# Altium PCB host_board.PcbDoc (part 6 of 7) (continued)
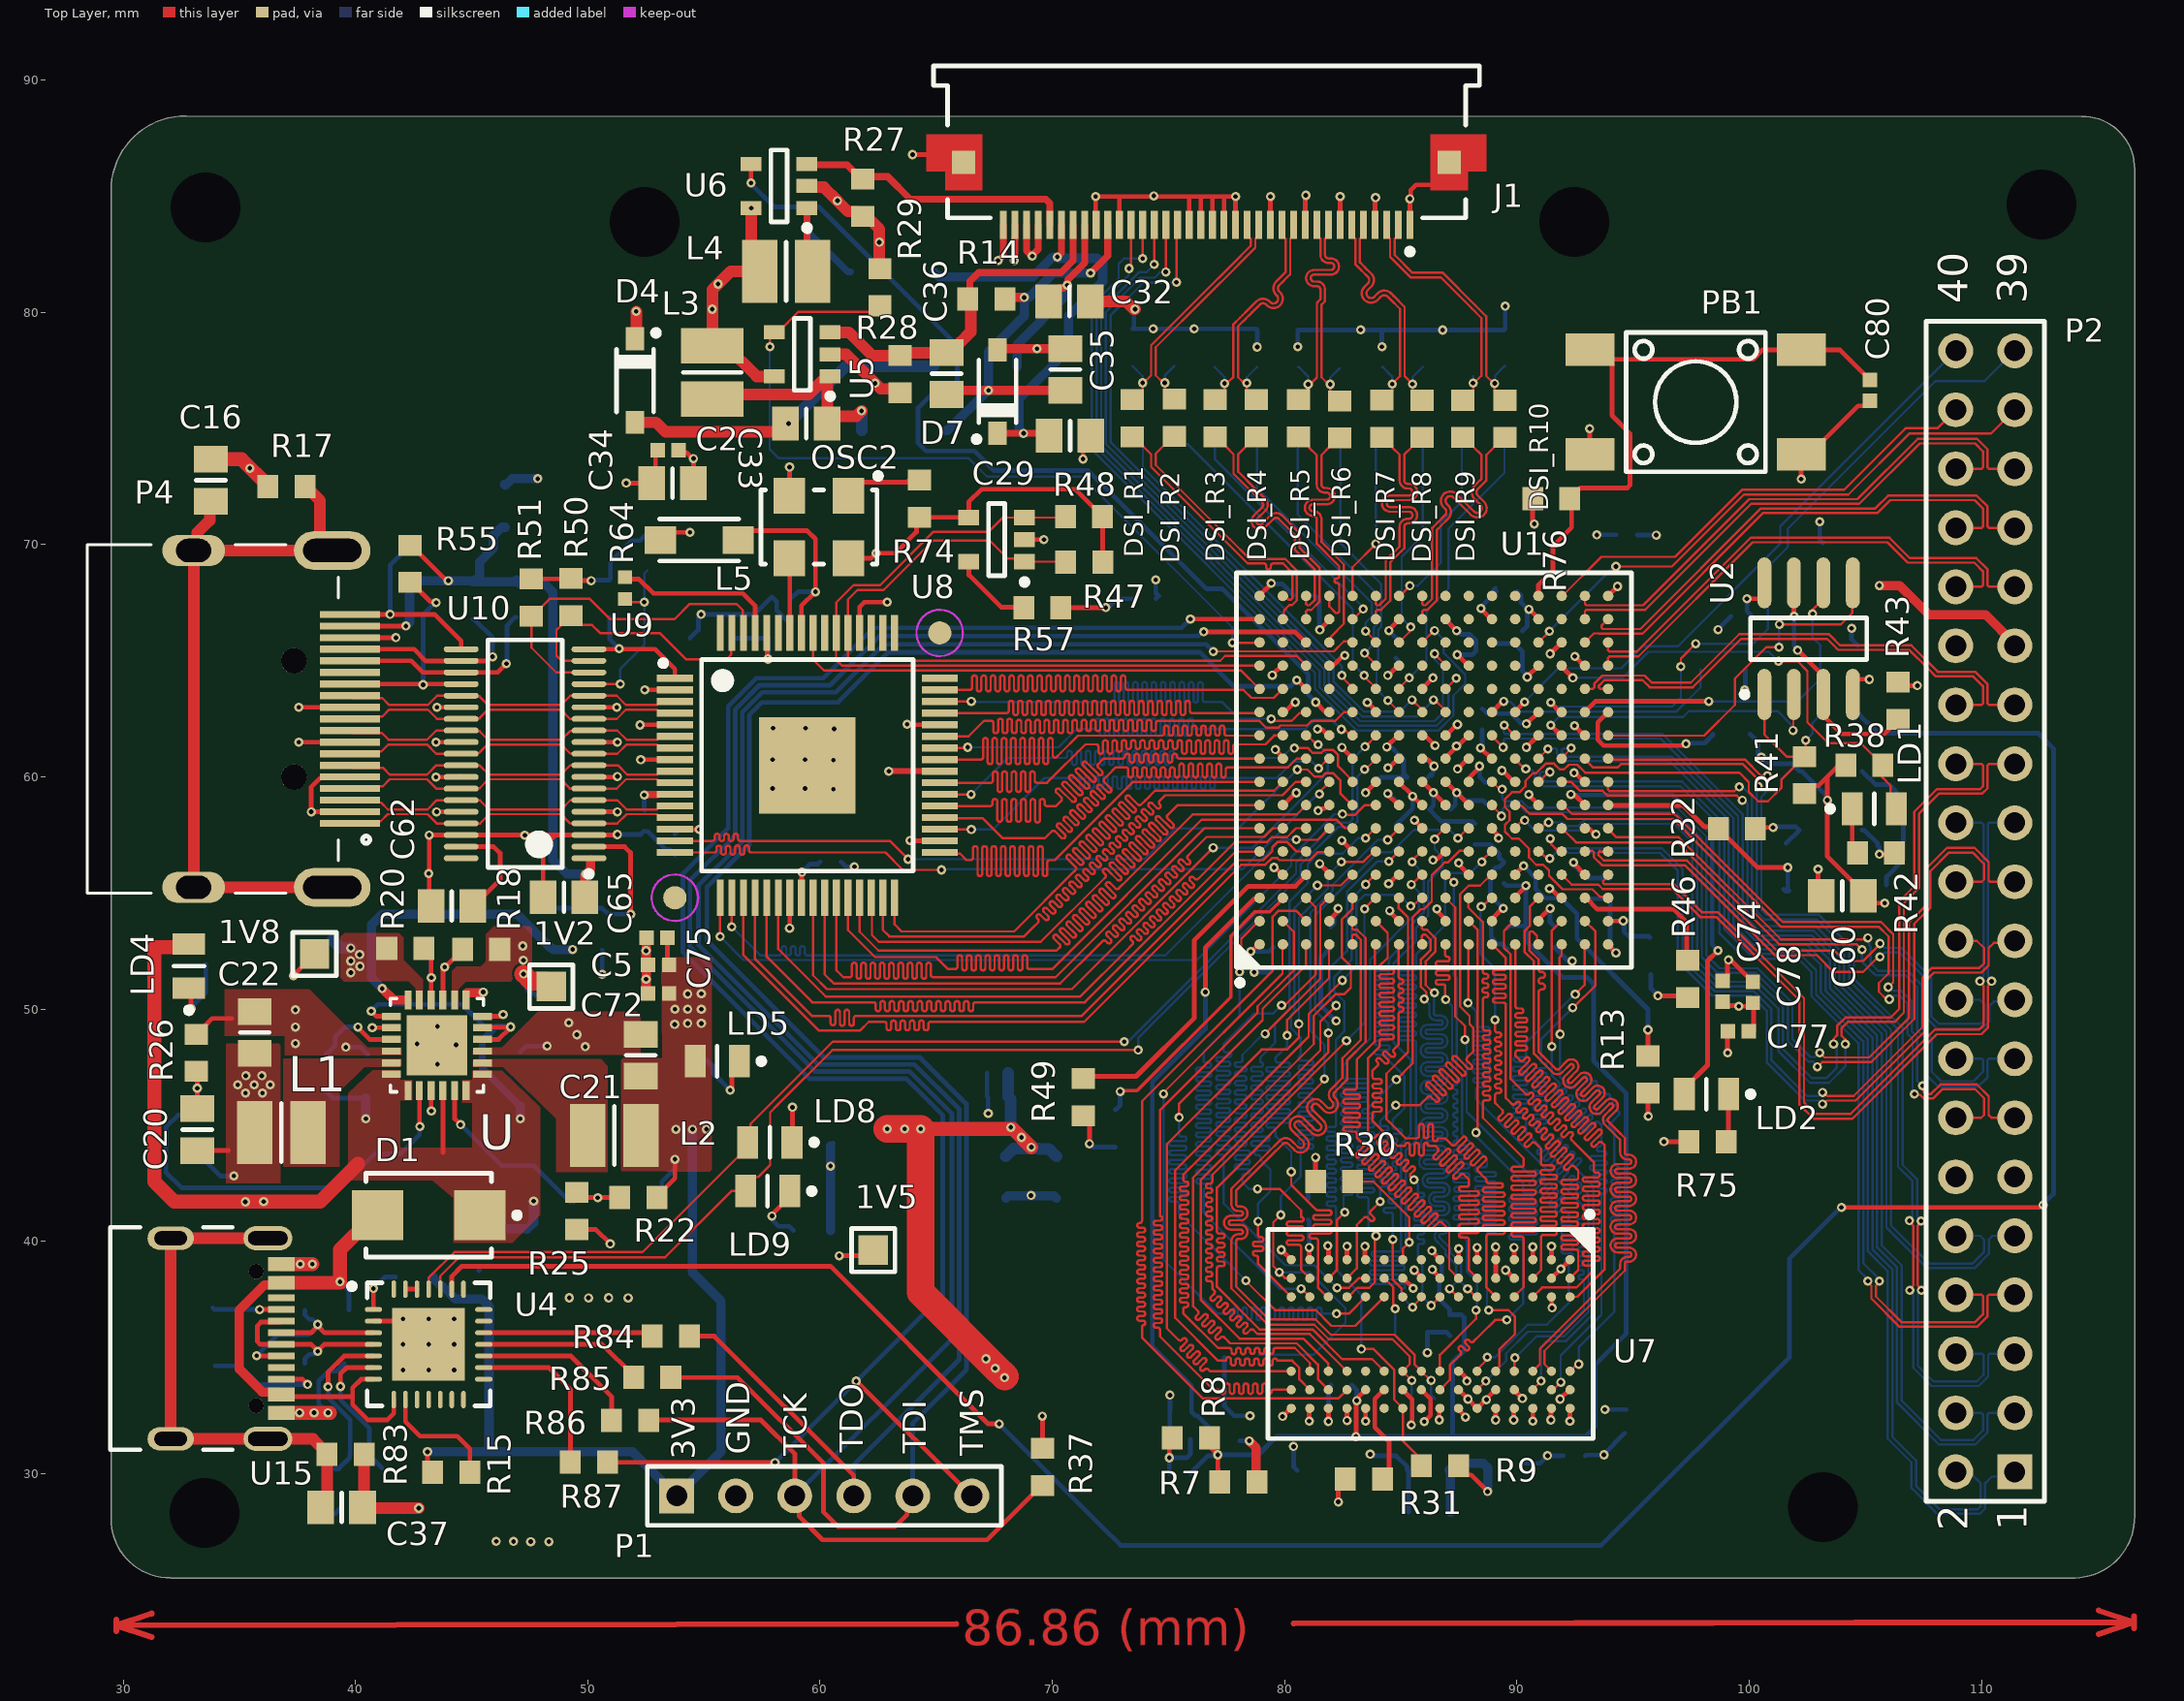
[diagram p0: Top Layer view]
## Nets (pads, with @x,y where several pads share a name; then routed paths per layer and width w, separated by ;. In a path a pad name is that pad's centre, name@x,y a point inside that pad or via, vN(x,y) a via of type N, cw(c..) or ccw(c..) an arc to the next point about the centre after c; other vN are vias at no path point) (continued)
HDMI_D6: U1.C9 U9.36 | length 35.2
  Top Layer w0.1: U9.36@65.15,58.25 65.17,58.23 66.99,58.23 67.86,57.36 69.654,57.36 69.67,57.36 69.795,57.485 69.971,57.662 cw(c70.042,57.591) 70.113,57.662 70.39,57.384 ccw(c70.461,57.455) 70.532,57.384 ccw(c70.461,57.455) 70.532,57.526 70.224,57.833 cw(c70.295,57.904) 70.224,57.975 cw(c70.295,57.904) 70.365,57.975 70.673,57.667 ccw(c70.744,57.738) 70.814,57.667 ccw(c70.744,57.738) 70.814,57.809 70.507,58.116 cw(c70.577,58.187) 70.507,58.258 cw(c70.577,58.187) 70.648,58.258 70.956,57.95 ccw(c71.027,58.021) 71.097,57.95 ccw(c71.027,58.021) 71.097,58.091 70.79,58.399 cw(c70.86,58.47) 70.79,58.541 cw(c70.86,58.47) 70.931,58.541 71.239,58.233 ccw(c71.309,58.304) 71.38,58.233 ccw(c71.309,58.304) 71.38,58.374 71.103,58.651 cw(c71.174,58.722) 71.103,58.793 cw(c71.174,58.722) 71.244,58.793 71.522,58.516 ccw(c71.592,58.586) 71.663,58.516 ccw(c71.592,58.586) 71.663,58.657 71.386,58.934 cw(c71.456,59.005) 71.386,59.076 cw(c71.456,59.005) 71.527,59.076 71.804,58.798 ccw(c71.875,58.869) 71.946,58.798 ccw(c71.875,58.869) 71.946,58.94 71.669,59.217 cw(c71.739,59.288) 71.669,59.359 cw(c71.739,59.288) 71.81,59.359 72.087,59.081 ccw(c72.158,59.152) 72.229,59.081 ccw(c72.158,59.152) 72.229,59.223 71.951,59.5 cw(c72.022,59.571) 71.951,59.641 cw(c72.022,59.571) 72.093,59.641 72.37,59.364 ccw(c72.441,59.435) 72.511,59.364 ccw(c72.441,59.435) 72.511,59.506 72.234,59.783 cw(c72.305,59.854) 72.234,59.924 72.434,60.124 72.728,60.418 72.91,60.418 73.16,60.418 cw(c73.16,60.318) 73.26,60.318 73.26,60.08 ccw(c73.36,60.08) 73.46,60.08 73.46,60.318 cw(c73.56,60.318) 73.66,60.318 73.66,60.08 ccw(c73.76,60.08) 73.86,60.08 73.86,60.318 cw(c73.96,60.318) 74.06,60.318 74.06,60.08 ccw(c74.16,60.08) 74.26,60.08 74.26,60.318 cw(c74.36,60.318) 74.46,60.318 74.46,60.08 ccw(c74.56,60.08) 74.66,60.08 74.66,60.318 cw(c74.76,60.318) 74.86,60.318 74.86,60.08 ccw(c74.96,60.08) 75.06,60.08 75.06,60.318 cw(c75.16,60.318) 75.26,60.318 75.26,60.08 ccw(c75.36,60.08) 75.46,60.08 75.46,60.475 cw(c75.56,60.475) 75.66,60.475 75.66,60.08 ccw(c75.76,60.08) 75.86,60.08 75.86,60.475 cw(c75.96,60.475) 76.06,60.475 76.06,60.08 ccw(c76.16,60.08) 76.26,60.08 76.26,60.475 cw(c76.36,60.475) 76.46,60.475 76.46,60.08 ccw(c76.56,60.08) 76.66,60.08 76.66,60.475 cw(c76.76,60.475) 76.86,60.475 76.86,60.08 ccw(c76.96,60.08) 77.06,60.08 77.06,60.475 cw(c77.16,60.475) 77.26,60.475 77.26,60.08 ccw(c77.36,60.08) 77.46,60.08 77.46,60.318 cw(c77.56,60.318) 77.56,60.418 78.055,60.418 80.143,60.418 80.518,60.793 U1.C9@80.92,60.793
HDMI_D7: U1.D9 U9.35 | length 31.9
  Top Layer w0.1: U9.35@65.15,57.75 66.496,57.75 v1(66.51,57.736) ; v1(81.46,60.37) 81.883,60.793 U1.D9@81.92,60.793
  Bottom Layer w0.1: v1(66.51,57.736) 67.436,57.736 69.66,59.96 70.84,59.96 71.09,59.96 cw(c71.09,59.86) 71.19,59.86 71.19,59.584 ccw(c71.29,59.584) 71.39,59.584 71.39,59.93 cw(c71.49,59.93) 71.59,59.93 71.59,59.584 ccw(c71.69,59.584) 71.79,59.584 71.79,59.93 cw(c71.89,59.93) 71.99,59.93 71.99,59.584 ccw(c72.09,59.584) 72.19,59.584 72.19,59.93 cw(c72.29,59.93) 72.39,59.93 72.39,59.584 ccw(c72.49,59.584) 72.59,59.584 72.59,59.93 cw(c72.69,59.93) 72.79,59.93 72.79,59.584 ccw(c72.89,59.584) 72.99,59.584 72.99,59.93 cw(c73.09,59.93) 73.19,59.93 73.19,59.584 ccw(c73.29,59.584) 73.39,59.584 73.39,59.93 cw(c73.49,59.93) 73.59,59.93 73.59,59.584 ccw(c73.69,59.584) 73.79,59.584 73.79,59.93 cw(c73.89,59.93) 73.99,59.93 73.99,59.584 ccw(c74.09,59.584) 74.19,59.584 74.19,59.93 cw(c74.29,59.93) 74.39,59.93 74.39,59.584 ccw(c74.49,59.584) 74.59,59.584 74.59,59.93 cw(c74.69,59.93) 74.79,59.93 74.79,59.584 ccw(c74.89,59.584) 74.99,59.584 74.99,59.93 cw(c75.09,59.93) 75.19,59.93 75.19,59.584 ccw(c75.29,59.584) 75.39,59.584 75.39,59.93 cw(c75.49,59.93) 75.59,59.93 75.59,59.584 ccw(c75.69,59.584) 75.79,59.584 75.79,59.93 cw(c75.89,59.93) 75.99,59.93 75.99,59.584 ccw(c76.09,59.584) 76.19,59.584 76.19,59.93 cw(c76.29,59.93) 76.39,59.93 76.39,59.584 ccw(c76.49,59.584) 76.59,59.584 76.59,59.93 cw(c76.69,59.93) 76.79,59.93 76.79,59.584 ccw(c76.89,59.584) 76.99,59.584 76.99,59.86 cw(c77.09,59.86) 77.09,59.96 77.256,59.96 79.66,59.96 80.37,60.67 81.16,60.67 v1(81.46,60.37)
HDMI_D8: U1.A8 U9.33 | length 34.5
  Top Layer w0.1: U9.33@65.15,56.75 65.196,56.704 66.016,56.704 66.3,56.42 66.43,56.42 66.48,56.42 ccw(c66.48,56.52) 66.58,56.52 66.58,56.923 cw(c66.68,56.923) 66.78,56.923 66.78,55.833 ccw(c66.88,55.833) 66.98,55.833 66.98,56.923 cw(c67.08,56.923) 67.18,56.923 67.18,55.833 ccw(c67.28,55.833) 67.38,55.833 67.38,56.923 cw(c67.48,56.923) 67.58,56.923 67.58,55.833 ccw(c67.68,55.833) 67.78,55.833 67.78,56.923 cw(c67.88,56.923) 67.98,56.923 67.98,55.833 ccw(c68.08,55.833) 68.18,55.833 68.18,56.923 cw(c68.28,56.923) 68.38,56.923 68.38,55.833 ccw(c68.48,55.833) 68.58,55.833 68.58,56.923 cw(c68.68,56.923) 68.78,56.923 68.78,55.833 ccw(c68.88,55.833) 68.98,55.833 68.98,56.923 cw(c69.08,56.923) 69.18,56.923 69.18,55.833 ccw(c69.28,55.833) 69.38,55.833 69.38,56.923 cw(c69.48,56.923) 69.58,56.923 69.58,55.833 ccw(c69.68,55.833) 69.78,55.833 69.78,56.32 cw(c69.88,56.32) 69.88,56.42 70.095,56.42 70.141,56.466 73.455,59.78 78.907,59.78 U1.A8@78.92,59.793
HDMI_D9: U1.B8 U9.32 | length 33.8
  Top Layer w0.1: U9.32@63.2,54.8 63.2,53.66 63.51,53.35 68.353,53.35 70.956,55.953 70.991,55.988 ccw(c70.921,56.059) 70.991,56.13 70.634,56.487 cw(c70.705,56.558) 70.634,56.629 cw(c70.705,56.558) 70.775,56.629 71.163,56.241 ccw(c71.234,56.311) 71.305,56.241 ccw(c71.234,56.311) 71.305,56.382 70.917,56.77 cw(c70.988,56.841) 70.917,56.912 cw(c70.988,56.841) 71.058,56.912 71.446,56.524 ccw(c71.517,56.594) 71.588,56.524 ccw(c71.517,56.594) 71.588,56.665 71.2,57.053 cw(c71.27,57.124) 71.2,57.194 cw(c71.27,57.124) 71.341,57.194 71.729,56.806 ccw(c71.8,56.877) 71.871,56.806 ccw(c71.8,56.877) 71.871,56.948 71.483,57.336 cw(c71.553,57.406) 71.483,57.477 cw(c71.553,57.406) 71.624,57.477 72.012,57.089 ccw(c72.083,57.16) 72.153,57.089 ccw(c72.083,57.16) 72.153,57.231 71.765,57.619 cw(c71.836,57.689) 71.765,57.76 cw(c71.836,57.689) 71.907,57.76 72.295,57.372 ccw(c72.366,57.443) 72.436,57.372 ccw(c72.366,57.443) 72.436,57.513 72.048,57.901 cw(c72.119,57.972) 72.048,58.043 cw(c72.119,57.972) 72.19,58.043 72.578,57.655 ccw(c72.648,57.726) 72.719,57.655 ccw(c72.648,57.726) 72.719,57.796 72.331,58.184 cw(c72.402,58.255) 72.331,58.326 cw(c72.402,58.255) 72.473,58.326 72.861,57.938 ccw(c72.931,58.008) 73.002,57.938 ccw(c72.931,58.008) 73.002,58.079 72.614,58.467 cw(c72.685,58.538) 72.614,58.609 cw(c72.685,58.538) 72.755,58.609 73.143,58.221 ccw(c73.214,58.291) 73.285,58.221 ccw(c73.214,58.291) 73.285,58.362 72.897,58.75 cw(c72.968,58.821) 72.897,58.891 cw(c72.968,58.821) 73.038,58.891 73.426,58.503 ccw(c73.497,58.574) 73.568,58.503 ccw(c73.497,58.574) 73.568,58.645 73.18,59.033 cw(c73.25,59.104) 73.18,59.174 cw(c73.25,59.104) 73.321,59.174 73.678,58.817 ccw(c73.749,58.888) 73.82,58.817 73.992,58.989 74.417,59.414 79.541,59.414 U1.B8@79.92,59.793
HDMI_D10: U1.C8 U9.31 | length 35
  Top Layer w0.1: U9.31@62.7,54.8 62.7,53.42 62.98,53.14 68.784,53.14 69.181,53.538 69.381,53.738 ccw(c69.311,53.808) 69.381,53.879 69.344,53.917 cw(c69.415,53.987) 69.344,54.058 cw(c69.415,53.987) 69.485,54.058 69.679,53.865 ccw(c69.749,53.935) 69.82,53.865 ccw(c69.749,53.935) 69.82,54.006 69.627,54.199 cw(c69.697,54.27) 69.627,54.341 cw(c69.697,54.27) 69.768,54.341 69.961,54.148 ccw(c70.032,54.218) 70.103,54.148 ccw(c70.032,54.218) 70.103,54.289 69.91,54.482 cw(c69.98,54.553) 69.91,54.624 cw(c69.98,54.553) 70.051,54.624 70.244,54.43 ccw(c70.315,54.501) 70.386,54.43 ccw(c70.315,54.501) 70.386,54.572 70.192,54.765 cw(c70.263,54.836) 70.192,54.907 cw(c70.263,54.836) 70.334,54.907 70.527,54.713 ccw(c70.598,54.784) 70.668,54.713 ccw(c70.598,54.784) 70.668,54.855 70.475,55.048 cw(c70.546,55.119) 70.475,55.189 cw(c70.546,55.119) 70.617,55.189 70.81,54.996 ccw(c70.881,55.067) 70.951,54.996 ccw(c70.881,55.067) 70.951,55.138 70.758,55.331 cw(c70.829,55.402) 70.758,55.472 cw(c70.829,55.402) 70.899,55.472 71.093,55.279 ccw(c71.163,55.35) 71.234,55.279 ccw(c71.163,55.35) 71.234,55.42 71.041,55.614 cw(c71.112,55.684) 71.041,55.755 cw(c71.112,55.684) 71.182,55.755 71.376,55.562 ccw(c71.446,55.633) 71.517,55.562 ccw(c71.446,55.633) 71.517,55.703 71.354,55.866 cw(c71.425,55.937) 71.354,56.007 cw(c71.425,55.937) 71.496,56.007 71.658,55.845 ccw(c71.729,55.915) 71.8,55.845 ccw(c71.729,55.915) 71.8,55.986 71.637,56.149 cw(c71.708,56.22) 71.637,56.29 cw(c71.708,56.22) 71.778,56.29 71.917,56.152 ccw(c71.988,56.222) 72.059,56.152 ccw(c71.988,56.222) 72.059,56.293 71.919,56.432 cw(c71.99,56.503) 71.919,56.574 cw(c71.99,56.503) 72.061,56.574 72.2,56.434 ccw(c72.271,56.505) 72.342,56.434 ccw(c72.271,56.505) 72.342,56.576 72.203,56.715 cw(c72.274,56.785) 72.203,56.856 cw(c72.274,56.785) 72.344,56.856 72.483,56.717 ccw(c72.554,56.788) 72.624,56.717 ccw(c72.554,56.788) 72.624,56.859 72.486,56.997 cw(c72.556,57.068) 72.486,57.139 cw(c72.556,57.068) 72.627,57.139 72.766,57 ccw(c72.837,57.071) 72.907,57 ccw(c72.837,57.071) 72.907,57.141 72.769,57.28 cw(c72.839,57.351) 72.769,57.422 cw(c72.839,57.351) 72.91,57.422 73.049,57.283 ccw(c73.119,57.354) 73.19,57.283 ccw(c73.119,57.354) 73.19,57.424 73.051,57.563 cw(c73.122,57.634) 73.051,57.704 cw(c73.122,57.634) 73.193,57.704 73.331,57.566 ccw(c73.402,57.636) 73.473,57.566 ccw(c73.402,57.636) 73.473,57.707 73.334,57.846 cw(c73.405,57.916) 73.334,57.987 cw(c73.405,57.916) 73.476,57.987 73.614,57.849 ccw(c73.685,57.919) 73.756,57.849 ccw(c73.685,57.919) 73.756,57.99 73.617,58.129 cw(c73.688,58.2) 73.617,58.27 cw(c73.688,58.2) 73.758,58.27 73.897,58.131 ccw(c73.968,58.202) 74.039,58.131 ccw(c73.968,58.202) 74.039,58.273 73.868,58.443 cw(c73.939,58.514) 73.868,58.585 cw(c73.939,58.514) 74.01,58.585 74.18,58.414 ccw(c74.251,58.485) 74.321,58.414 ccw(c74.251,58.485) 74.321,58.556 74.152,58.725 cw(c74.223,58.796) 74.152,58.866 cw(c74.223,58.796) 74.294,58.866 74.487,58.673 ccw(c74.558,58.744) 74.628,58.673 ccw(c74.558,58.744) 74.628,58.815 74.614,58.829 cw(c74.685,58.9) 74.614,58.97 74.649,59.006 74.858,59.214 79.896,59.214 80.475,59.793 U1.C8@80.92,59.793
HDMI_D11: U1.A7 U9.30 | length 34.2
  Top Layer w0.1: U9.30@62.2,54.8 62.231,54.769 62.231,53.195 62.526,52.9 69.499,52.9 72.237,55.637 72.272,55.673 ccw(c72.201,55.743) 72.272,55.814 72.209,55.877 cw(c72.28,55.948) 72.209,56.019 cw(c72.28,55.948) 72.35,56.019 72.796,55.573 ccw(c72.867,55.643) 72.938,55.573 ccw(c72.867,55.643) 72.938,55.714 72.492,56.16 cw(c72.562,56.231) 72.492,56.302 cw(c72.562,56.231) 72.633,56.302 73.079,55.855 ccw(c73.15,55.926) 73.221,55.855 ccw(c73.15,55.926) 73.221,55.997 72.775,56.443 cw(c72.845,56.514) 72.775,56.585 cw(c72.845,56.514) 72.916,56.585 73.362,56.138 ccw(c73.433,56.209) 73.504,56.138 ccw(c73.433,56.209) 73.504,56.28 73.057,56.726 cw(c73.128,56.797) 73.057,56.867 cw(c73.128,56.797) 73.199,56.867 73.645,56.421 ccw(c73.716,56.492) 73.786,56.421 ccw(c73.716,56.492) 73.786,56.563 73.34,57.009 cw(c73.411,57.079) 73.34,57.15 cw(c73.411,57.079) 73.482,57.15 73.928,56.704 ccw(c73.998,56.775) 74.069,56.704 ccw(c73.999,56.775) 74.069,56.845 73.623,57.292 cw(c73.694,57.362) 73.623,57.433 cw(c73.694,57.362) 73.764,57.433 74.211,56.987 ccw(c74.281,57.058) 74.352,56.987 ccw(c74.281,57.058) 74.352,57.128 73.906,57.574 cw(c73.977,57.645) 73.906,57.716 cw(c73.977,57.645) 74.047,57.716 74.493,57.27 ccw(c74.564,57.34) 74.635,57.27 ccw(c74.564,57.34) 74.635,57.411 74.189,57.857 cw(c74.259,57.928) 74.189,57.999 cw(c74.259,57.928) 74.33,57.999 74.776,57.553 ccw(c74.847,57.623) 74.918,57.553 ccw(c74.847,57.623) 74.918,57.694 74.472,58.14 cw(c74.542,58.211) 74.472,58.282 cw(c74.542,58.211) 74.613,58.282 75.059,57.835 ccw(c75.13,57.906) 75.201,57.835 ccw(c75.13,57.906) 75.201,57.977 74.959,58.218 cw(c75.03,58.289) 74.959,58.36 75.205,58.605 75.392,58.793 U1.A7@78.92,58.793
HDMI_D12: U1.C7 U9.29 | length 34.4
  Top Layer w0.1: U9.29@61.7,54.8 61.7,53.34 62.512,52.528 70.125,52.528 70.177,52.528 70.308,52.659 ccw(c70.238,52.73) 70.308,52.801 70.066,53.043 cw(c70.137,53.113) 70.066,53.184 cw(c70.137,53.113) 70.208,53.184 70.564,52.827 ccw(c70.635,52.898) 70.706,52.827 ccw(c70.635,52.898) 70.706,52.969 70.349,53.325 cw(c70.42,53.396) 70.349,53.467 cw(c70.42,53.396) 70.491,53.467 70.847,53.11 ccw(c70.918,53.181) 70.989,53.11 ccw(c70.918,53.181) 70.989,53.252 70.632,53.608 cw(c70.703,53.679) 70.632,53.75 cw(c70.703,53.679) 70.773,53.75 71.13,53.393 ccw(c71.201,53.464) 71.272,53.393 ccw(c71.201,53.464) 71.272,53.534 70.915,53.891 cw(c70.986,53.962) 70.915,54.033 cw(c70.986,53.962) 71.056,54.033 71.413,53.676 ccw(c71.484,53.747) 71.554,53.676 ccw(c71.484,53.747) 71.554,53.817 71.198,54.174 cw(c71.268,54.245) 71.198,54.315 cw(c71.268,54.245) 71.339,54.315 71.696,53.959 ccw(c71.766,54.029) 71.837,53.959 ccw(c71.766,54.029) 71.837,54.1 71.481,54.457 cw(c71.551,54.528) 71.481,54.598 cw(c71.551,54.528) 71.622,54.598 71.979,54.242 ccw(c72.049,54.312) 72.12,54.242 ccw(c72.049,54.312) 72.12,54.383 71.763,54.74 cw(c71.834,54.81) 71.763,54.881 cw(c71.834,54.81) 71.905,54.881 72.261,54.524 ccw(c72.332,54.595) 72.403,54.524 ccw(c72.332,54.595) 72.403,54.666 72.046,55.023 cw(c72.117,55.093) 72.046,55.164 cw(c72.117,55.093) 72.188,55.164 72.544,54.807 ccw(c72.615,54.878) 72.686,54.807 ccw(c72.615,54.878) 72.686,54.949 72.329,55.305 cw(c72.4,55.376) 72.329,55.447 cw(c72.4,55.376) 72.47,55.447 72.712,55.205 ccw(c72.783,55.276) 72.854,55.205 73.002,55.353 73.031,55.382 76.039,58.39 80.517,58.39 U1.C7@80.92,58.793
HDMI_D13: U1.E6 U9.28 | length 35.6
  Top Layer w0.1: U9.28@61.2,54.8 61.2,53.41 62.365,52.245 64.992,52.245 65.508,51.729 65.566,51.729 65.812,51.729 ccw(c65.812,51.829) 65.912,51.829 65.912,52.228 cw(c66.012,52.228) 66.112,52.228 66.112,51.774 ccw(c66.212,51.774) 66.312,51.774 66.312,52.228 cw(c66.412,52.228) 66.512,52.228 66.512,51.774 ccw(c66.612,51.774) 66.712,51.774 66.712,52.228 cw(c66.812,52.228) 66.912,52.228 66.912,51.774 ccw(c67.012,51.774) 67.112,51.774 67.112,52.228 cw(c67.212,52.228) 67.312,52.228 67.312,51.774 ccw(c67.412,51.774) 67.512,51.774 67.512,52.228 cw(c67.612,52.228) 67.712,52.228 67.712,51.774 ccw(c67.812,51.774) 67.912,51.774 67.912,52.228 cw(c68.012,52.228) 68.112,52.228 68.112,51.774 ccw(c68.212,51.774) 68.312,51.774 68.312,52.228 cw(c68.412,52.228) 68.512,52.228 68.512,51.774 ccw(c68.612,51.774) 68.712,51.774 68.712,52.228 cw(c68.812,52.228) 68.912,52.228 68.912,51.829 ccw(c69.012,51.829) 69.012,51.729 69.262,51.729 69.989,51.729 76.428,58.168 82.223,58.168 82.598,57.793 U1.E6@82.92,57.793
HDMI_D14: U1.A6 U9.27 | length 34.8
  Top Layer w0.1: U9.27@60.7,54.8 60.7,51.68 61,51.38 61.102,51.38 61.27,51.38 ccw(c61.27,51.48) 61.37,51.48 61.37,51.903 cw(c61.47,51.903) 61.57,51.903 61.57,51.415 ccw(c61.67,51.415) 61.77,51.415 61.77,51.903 cw(c61.87,51.903) 61.97,51.903 61.97,51.415 ccw(c62.07,51.415) 62.17,51.415 62.17,51.903 cw(c62.27,51.903) 62.37,51.903 62.37,51.415 ccw(c62.47,51.415) 62.57,51.415 62.57,51.903 cw(c62.67,51.903) 62.77,51.903 62.77,51.415 ccw(c62.87,51.415) 62.97,51.415 62.97,51.903 cw(c63.07,51.903) 63.17,51.903 63.17,51.415 ccw(c63.27,51.415) 63.37,51.415 63.37,51.903 cw(c63.47,51.903) 63.57,51.903 63.57,51.415 ccw(c63.67,51.415) 63.77,51.415 63.77,51.903 cw(c63.87,51.903) 63.97,51.903 63.97,51.415 ccw(c64.07,51.415) 64.17,51.415 64.17,51.903 cw(c64.27,51.903) 64.37,51.903 64.37,51.415 ccw(c64.47,51.415) 64.57,51.415 64.57,51.903 cw(c64.67,51.903) 64.77,51.903 64.77,51.48 ccw(c64.87,51.48) 64.87,51.38 65.12,51.38 70.133,51.38 76.546,57.793 U1.A6@78.92,57.793
HDMI_D15: U1.B6 U9.26 | length 34.6
  Top Layer w0.1: U9.26@60.2,54.8 60.2,51.5 60.585,51.115 70.335,51.115 71.991,52.771 72.156,52.936 cw(c72.227,52.865) 72.297,52.936 72.367,52.866 ccw(c72.438,52.937) 72.509,52.866 ccw(c72.438,52.937) 72.509,53.007 72.347,53.169 cw(c72.418,53.24) 72.347,53.311 cw(c72.418,53.24) 72.488,53.311 72.65,53.149 ccw(c72.721,53.219) 72.792,53.149 ccw(c72.721,53.219) 72.792,53.29 72.63,53.452 cw(c72.7,53.523) 72.63,53.593 cw(c72.7,53.523) 72.771,53.593 72.933,53.432 ccw(c73.004,53.502) 73.074,53.432 ccw(c73.004,53.502) 73.074,53.573 72.913,53.735 cw(c72.983,53.806) 72.913,53.876 cw(c72.983,53.806) 73.054,53.876 73.216,53.714 ccw(c73.287,53.785) 73.357,53.714 ccw(c73.287,53.785) 73.357,53.856 73.195,54.018 cw(c73.266,54.088) 73.195,54.159 cw(c73.266,54.088) 73.337,54.159 73.499,53.997 ccw(c73.569,54.068) 73.64,53.997 ccw(c73.569,54.068) 73.64,54.139 73.478,54.301 cw(c73.549,54.371) 73.478,54.442 cw(c73.549,54.371) 73.62,54.442 73.782,54.28 ccw(c73.852,54.351) 73.923,54.28 ccw(c73.852,54.351) 73.923,54.422 73.761,54.583 cw(c73.832,54.654) 73.761,54.725 cw(c73.832,54.654) 73.903,54.725 74.064,54.563 ccw(c74.135,54.634) 74.206,54.563 ccw(c74.135,54.634) 74.206,54.704 74.044,54.866 cw(c74.115,54.937) 74.044,55.008 cw(c74.115,54.937) 74.185,55.008 74.347,54.846 ccw(c74.418,54.917) 74.489,54.846 ccw(c74.418,54.917) 74.489,54.987 74.327,55.149 ; 74.327,55.149 cw(c74.398,55.22) 74.327,55.291 cw(c74.398,55.22) 74.468,55.291 74.63,55.129 ccw(c74.701,55.199) 74.772,55.129 ccw(c74.701,55.199) 74.772,55.27 74.61,55.432 cw(c74.68,55.503) 74.61,55.573 cw(c74.68,55.503) 74.751,55.573 74.913,55.412 ccw(c74.984,55.482) 75.054,55.412 ccw(c74.984,55.482) 75.054,55.553 74.892,55.715 cw(c74.963,55.786) 74.892,55.856 cw(c74.963,55.786) 75.034,55.856 75.196,55.694 ccw(c75.267,55.765) 75.337,55.694 ccw(c75.267,55.765) 75.337,55.836 75.175,55.998 cw(c75.246,56.068) 75.175,56.139 cw(c75.246,56.068) 75.317,56.139 75.479,55.977 ccw(c75.549,56.048) 75.62,55.977 ccw(c75.549,56.048) 75.62,56.119 75.458,56.28 cw(c75.529,56.351) 75.458,56.422 cw(c75.529,56.351) 75.6,56.422 75.761,56.26 ccw(c75.832,56.331) 75.903,56.26 ccw(c75.832,56.331) 75.903,56.401 75.833,56.471 cw(c75.904,56.542) 75.833,56.613 75.86,56.64 75.868,56.648 76.638,57.418 79.115,57.418 79.49,57.793 U1.B6@79.92,57.793
HDMI_D16: U1.C6 U9.22 | length 34.8
  Top Layer w0.1: U9.22@58.2,54.8 58.2,52.59 60.24,50.55 71.205,50.55 73.163,52.509 73.442,52.788 ccw(c73.372,52.858) 73.442,52.929 73.381,52.991 cw(c73.451,53.061) 73.381,53.132 cw(c73.451,53.061) 73.522,53.132 73.662,52.992 ccw(c73.733,53.063) 73.803,52.992 ccw(c73.733,53.063) 73.803,53.134 73.664,53.274 cw(c73.734,53.344) 73.664,53.415 cw(c73.734,53.344) 73.805,53.415 73.945,53.275 ccw(c74.016,53.346) 74.086,53.275 ccw(c74.016,53.346) 74.086,53.417 73.946,53.556 cw(c74.017,53.627) 73.946,53.698 ; 73.946,53.698 cw(c74.017,53.627) 74.088,53.698 74.228,53.558 ccw(c74.298,53.629) 74.369,53.558 ccw(c74.298,53.629) 74.369,53.699 74.229,53.839 cw(c74.3,53.91) 74.229,53.981 cw(c74.3,53.91) 74.371,53.981 74.51,53.841 ccw(c74.581,53.912) 74.652,53.841 ccw(c74.581,53.912) 74.652,53.982 74.512,54.122 cw(c74.583,54.193) 74.512,54.264 cw(c74.583,54.193) 74.653,54.264 74.793,54.124 ccw(c74.864,54.194) 74.935,54.124 ccw(c74.864,54.194) 74.935,54.265 74.795,54.405 cw(c74.866,54.476) 74.795,54.546 cw(c74.866,54.476) 74.936,54.546 75.076,54.407 ccw(c75.147,54.477) 75.218,54.407 ccw(c75.147,54.477) 75.218,54.548 75.078,54.688 cw(c75.148,54.758) 75.078,54.829 cw(c75.148,54.758) 75.219,54.829 75.359,54.689 ccw(c75.43,54.76) 75.5,54.689 ccw(c75.43,54.76) 75.5,54.831 75.361,54.971 cw(c75.431,55.041) 75.361,55.112 cw(c75.431,55.041) 75.502,55.112 75.642,54.972 ccw(c75.713,55.043) 75.783,54.972 ccw(c75.713,55.043) 75.783,55.114 75.643,55.253 cw(c75.714,55.324) 75.643,55.395 cw(c75.714,55.324) 75.785,55.395 75.925,55.255 ccw(c75.995,55.326) 76.066,55.255 ccw(c75.995,55.326) 76.066,55.396 75.926,55.536 cw(c75.997,55.607) 75.926,55.678 cw(c75.997,55.607) 76.068,55.678 76.129,55.616 ccw(c76.2,55.687) 76.271,55.616 76.448,55.793 77.855,57.2 79.238,57.2 79.445,57.406 80.102,57.406 80.488,57.793 U1.C6@80.92,57.793
HDMI_D17: U1.A5 U9.21 | length 34.8
  Top Layer w0.1: U9.21@57.7,54.8 57.7,52.26 59.66,50.3 61.77,50.3 62.293,50.3 cw(c62.293,50.2) 62.393,50.2 62.393,50.016 ccw(c62.493,50.016) 62.593,50.016 62.593,50.25 cw(c62.693,50.25) 62.793,50.25 62.793,50.016 ccw(c62.893,50.016) 62.993,50.016 62.993,50.25 cw(c63.093,50.25) 63.193,50.25 63.193,50.016 ccw(c63.293,50.016) 63.393,50.016 63.393,50.25 cw(c63.493,50.25) 63.593,50.25 63.593,50.016 ccw(c63.693,50.016) 63.793,50.016 63.793,50.25 cw(c63.893,50.25) 63.993,50.25 63.993,50.016 ccw(c64.093,50.016) 64.193,50.016 64.193,50.25 cw(c64.293,50.25) 64.393,50.25 64.393,50.016 ccw(c64.493,50.016) 64.593,50.016 64.593,50.25 cw(c64.693,50.25) 64.793,50.25 64.793,50.016 ccw(c64.893,50.016) 64.993,50.016 64.993,50.25 cw(c65.093,50.25) 65.193,50.25 65.193,50.016 ccw(c65.293,50.016) 65.393,50.016 65.393,50.25 cw(c65.493,50.25) 65.593,50.25 65.593,50.016 ccw(c65.693,50.016) 65.793,50.016 65.793,50.25 cw(c65.893,50.25) 65.993,50.25 65.993,50.016 ccw(c66.093,50.016) 66.193,50.016 66.193,50.25 cw(c66.293,50.25) 66.393,50.25 66.393,50.016 ccw(c66.493,50.016) 66.593,50.016 66.593,50.2 cw(c66.693,50.2) 66.693,50.3 66.743,50.3 71.394,50.3 77.874,56.78 78.907,56.78 U1.A5@78.92,56.793
HDMI_D18: U1.C5 U9.20 | length 33.8
  Top Layer w0.1: U9.20@57.2,54.8 57.2,52.16 59.644,49.716 59.886,49.716 60.354,49.716 cw(c60.354,49.616) 60.454,49.616 60.454,49.407 ccw(c60.554,49.407) 60.654,49.407 60.654,49.877 cw(c60.754,49.877) 60.854,49.877 60.854,49.39 ccw(c60.954,49.39) 61.054,49.39 61.054,49.877 cw(c61.154,49.877) 61.254,49.877 61.254,49.39 ccw(c61.354,49.39) 61.454,49.39 61.454,49.616 cw(c61.554,49.616) 61.554,49.716 61.604,49.716 71.266,49.716 77.968,56.418 79.075,56.418 79.464,56.806 79.464,56.976 79.694,57.206 80.096,57.206 80.509,56.793 U1.C5@80.92,56.793
HDMI_D19: U1.D5 U9.19 | length 35.5
  Top Layer w0.1: U9.19@56.7,54.8 56.7,52.33 59.94,49.09 61.73,49.09 62.1,49.46 62.56,49.46 62.76,49.46 cw(c62.76,49.36) 62.86,49.36 62.86,49.194 ccw(c62.96,49.194) 63.06,49.194 63.06,49.416 cw(c63.16,49.416) 63.26,49.416 63.26,49.194 ccw(c63.36,49.194) 63.46,49.194 63.46,49.416 cw(c63.56,49.416) 63.66,49.416 63.66,49.194 ccw(c63.76,49.194) 63.86,49.194 63.86,49.416 cw(c63.96,49.416) 64.06,49.416 64.06,49.194 ccw(c64.16,49.194) 64.26,49.194 64.26,49.416 cw(c64.36,49.416) 64.46,49.416 64.46,49.194 ccw(c64.56,49.194) 64.66,49.194 64.66,49.36 cw(c64.76,49.36) 64.76,49.46 64.81,49.46 71.367,49.46 78.124,56.218 79.158,56.218 79.445,56.505 79.677,56.505 79.765,56.418 81.075,56.418 81.428,56.77 81.897,56.77 U1.D5@81.92,56.793
HDMI_D20: U1.D6 U9.18 | length 31.7
  Top Layer w0.1: v1(56.2,53.55) U9.18@56.2,54.8 ; v1@80.48,57.295 80.495,57.295 81.414,57.295 81.912,57.793 U1.D6@81.92,57.793
  Bottom Layer w0.1: v1(56.2,53.55) 57.43,52.32 58.19,52.32 58.24,52.32 ccw(c58.24,52.42) 58.34,52.42 58.34,52.62 cw(c58.44,52.62) 58.54,52.62 58.54,52.42 ccw(c58.64,52.42) 58.74,52.42 58.74,52.62 cw(c58.84,52.62) 58.94,52.62 58.94,52.42 ccw(c59.04,52.42) 59.14,52.42 59.14,52.62 cw(c59.24,52.62) 59.34,52.62 59.34,52.42 ccw(c59.44,52.42) 59.44,52.32 59.789,52.32 74.86,52.32 79.845,57.305 v1(80.495,57.305)
HDMI_D21: U1.F7 U9.17 | length 33.3
  Top Layer w0.1: v1(55.7,53.129) U9.17@55.7,54.8 ; v1(82.484,58.402) 82.512,58.373 83.031,58.373 83.45,58.793 U1.F7@83.92,58.793
  Bottom Layer w0.1: v1(55.7,53.129) 56.709,52.12 76.222,52.12 80.28,56.178 80.28,56.54 82.138,58.398 82.48,58.398 v1(82.484,58.402)
HDMI_D22: U1.D8 U9.16 | length 32.3
  Top Layer w0.1: U9.16@53.75,56.75 55.39,56.75 55.44,56.75 ccw(c55.44,56.85) 55.54,56.85 55.54,56.942 cw(c55.64,56.942) 55.74,56.942 55.74,56.758 ccw(c55.84,56.758) 55.94,56.758 55.94,56.942 cw(c56.04,56.942) 56.14,56.942 56.14,56.758 ccw(c56.24,56.758) 56.34,56.758 56.34,56.95 cw(c56.44,56.95) 56.54,56.95 56.54,56.758 ccw(c56.64,56.758) 56.74,56.758 56.74,56.95 cw(c56.84,56.95) 56.94,56.95 56.94,56.85 ccw(c57.04,56.85) 57.04,56.75 57.35,56.75 62.81,56.75 63.56,56 v1(65.23,56) ; v1(81.493,59.27) 81.493,59.349 81.92,59.776 U1.D8@81.92,59.793
  Bottom Layer w0.1: v1(65.23,56) 65.26,56.03 78.19,56.03 81.43,59.27 v1(81.493,59.27)
HDMI_D23: U1.E7 U9.15 | length 33.5
  Top Layer w0.1: U9.15@53.75,57.25 55.32,57.25 55.37,57.25 ccw(c55.37,57.35) 55.47,57.35 55.47,57.454 cw(c55.57,57.454) 55.67,57.454 55.67,57.342 ccw(c55.77,57.342) 55.87,57.342 55.87,57.454 cw(c55.97,57.454) 56.07,57.454 56.07,57.342 ccw(c56.17,57.342) 56.27,57.342 56.27,57.454 cw(c56.37,57.454) 56.47,57.454 56.47,57.35 ccw(c56.57,57.35) 56.57,57.25 57.064,57.25 63,57.25 v1(63.79,56.46) ; v1(80.54,60.32) 80.98,60.32 81.28,60.02 81.617,60.02 81.765,60.168 82.075,60.168 82.403,59.841 82.403,59.37 ; 82.4,59.37 82.4,59.28 82.887,58.793 U1.E7@82.92,58.793
  Bottom Layer w0.1: v1(63.79,56.46) 73.97,56.46 75.3,57.79 78.01,57.79 v1(80.54,60.32)